# Altium PCB 10515.0461_全联供输出板(2拼版)_V1.0.PcbDoc (part 7 of 9)
Units mm, origin at the board's own origin, x right, y up, seen from the top; angles counter-clockwise.
Board outline 283.88 x 134.8 mm, 2 copper layers (Top Layer, Bottom Layer); 298 components, 0 nets, 1264 pads, 970 vias.
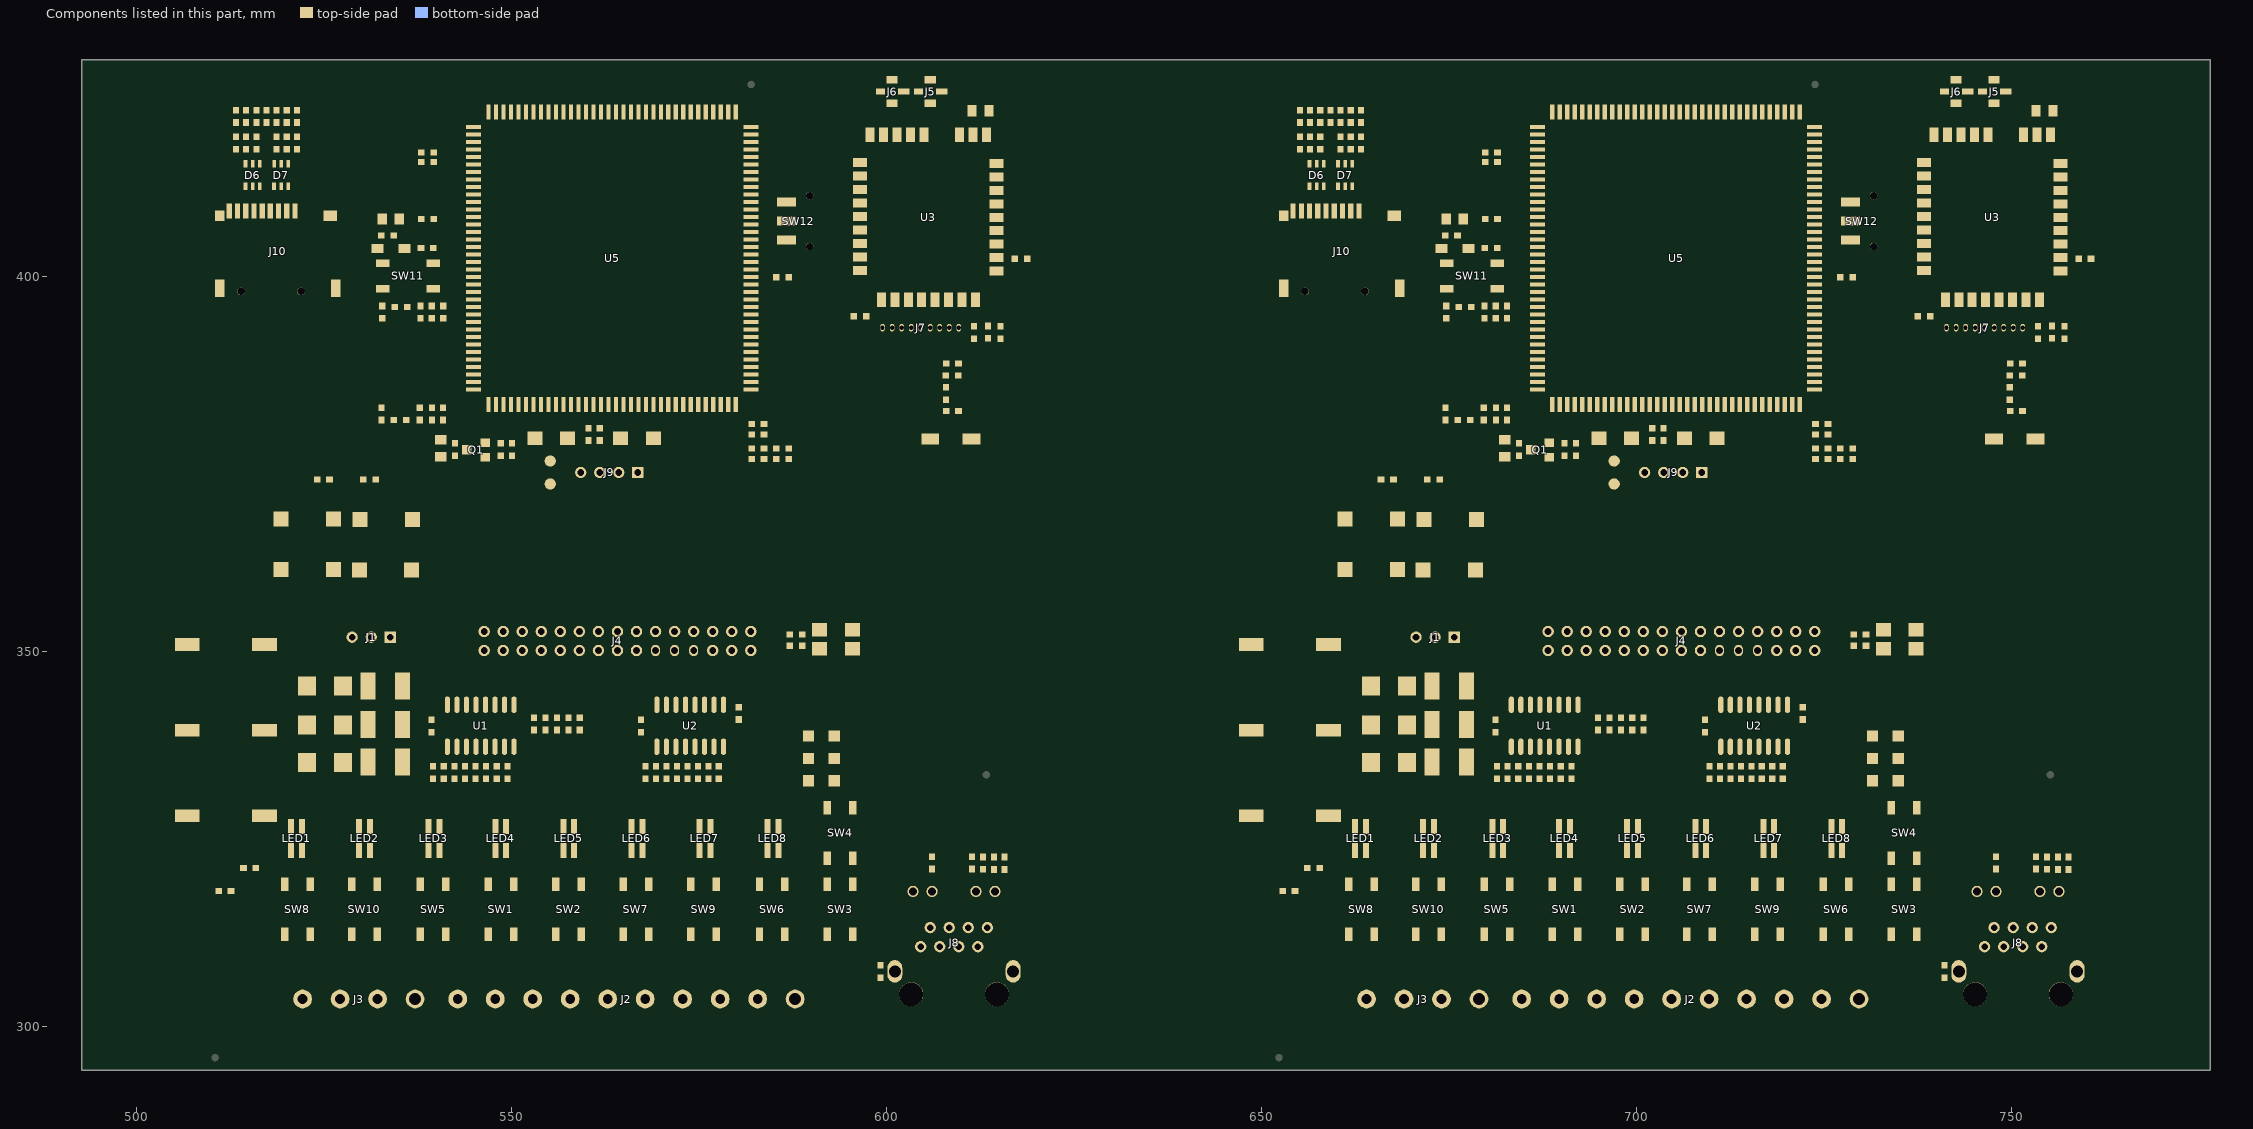
[diagram p7: the components of this part, seen from the top]

## Via types
v1: diameter 0.7, hole 0.4, Top Layer to Bottom Layer, tented both sides, 970 vias

## Nets (pads, with @x,y where several pads share a name; then routed paths per layer and width w, separated by ;. In a path a pad name is that pad's centre, name@x,y a point inside that pad or via, vN(x,y) a via of type N, cw(c..) or ccw(c..) an arc to the next point about the centre after c; other vN are vias at no path point) (continued)
copper on no net: (continued)
  Top Layer w0.8: 752.601,379.719 cw(c751.179,378.297) 753.19,378.297 ; 752.945,378.547 ccw(c752.374,379.13) 753.19,379.13 ; 753.024,377.051 cw(c754.436,377.051) 753.437,378.05 ; 753.393,378.05 cw(c752.81,377.467) 753.634,377.467 ; 753.393,378.544 ccw(c752.81,379.127) 753.634,379.127 ; 753.435,378.547 cw(c754.006,379.13) 753.19,379.13 ; 753.446,379.611 cw(c752.132,378.297) 753.99,378.297 ; 753.532,393.33 754.421,393.33 756.707,393.33 ; 753.634,377.437 cw(c754.5,377.437) 753.887,378.05 ; 753.634,379.157 ccw(c754.5,379.157) 753.887,378.544 ; 755.387,391.717 756.923,391.717 ; 758.34,306.861 ccw(c757.316,305.837) 757.316,307.285 ccw(c757.315,308.734) 758.34,307.709 ; 506.717,328.035 507.907,326.845 509.143,326.845 509.778,326.21 509.778,319.123 510.286,318.615 ; 506.717,328.035 507.826,328.035 508.381,327.48 509.524,327.48 ; 506.717,328.035 v1(510.896,328.035) 510.896,318.005 ; 506.717,328.035 506.717,339.465 506.717,345.501 508.254,347.038 ; 507.746,347.546 508.254,347.038 ; 509.524,327.48 510.286,326.718 510.286,318.615 ; 510.286,302.588 510.286,304.366 ; 510.286,302.588 511.937,300.937 513.715,300.937 510.896,303.756 510.896,318.005 ; 510.286,304.366 510.286,317.395 510.896,318.005 ; 510.286,318.615 510.896,318.005 ; 511.048,406.601 515.594,406.601 525.78,406.601 ; 512.572,305.89 512.572,304.874 513.842,303.604 514.858,303.604 ; 512.572,305.89 514.858,303.604 ; 512.572,305.89 512.572,337.767 ; 512.572,337.767 512.572,338.656 513.969,340.053 ; 512.572,337.767 514.27,339.465 517.017,339.465 ; 513.842,337.132 513.842,324.813 512.572,323.543 513.08,324.051 513.08,337.386 514.477,338.783 ; 513.842,337.132 516.175,339.465 ; 513.969,340.053 518.414,340.053 ; 514.223,308.176 514.223,307.033 514.731,306.525 515.874,306.525 ; 514.223,308.176 515.874,306.525 ; 514.477,338.783 515.493,338.783 516.175,339.465 ; 515.849,320.622 515.849,321.053 ; 515.849,321.053 515.849,325.829 ; 515.849,321.053 516.509,321.713 ; 515.849,325.829 515.849,333.043 516.382,333.576 ; 515.849,325.829 515.849,326.867 517.017,328.035 517.017,334.211 ; 515.874,306.525 538.988,306.525 540.004,305.509 540.004,301.318 540.639,300.683 556.768,300.683 557.777,301.692 ; 516.175,339.465 517.017,339.465 ; 516.175,339.465 517.017,339.465 ; 516.382,333.576 517.017,334.211 ; 516.509,321.713 516.509,326.464 517.779,327.734 517.779,333.957 518.414,334.592 519.049,334.592 ; 517.017,334.211 517.652,334.846 ; 517.017,339.465 517.826,339.465 518.414,340.053 ; 517.017,346.657 517.017,350.895 ; 517.017,350.895 517.779,350.133 517.779,348.054 517.779,347.419 ; 517.017,350.895 518.16,350.895 518.748,351.483 ; 517.017,350.895 523.033,350.895 ; 518.748,351.483 523.621,351.483 523.033,350.895 ; 519.232,360.881 519.232,354.983 519.684,354.531 ; 519.232,360.881 519.232,367.612 ; 519.232,367.612 519.303,367.612 519.938,368.247 521.589,368.247 ; 519.232,367.612 521.716,367.612 524.027,369.923 524.027,372.919 ; 519.684,354.531 520.113,354.102 549.91,354.102 ; 521.462,358.087 521.462,356.563 v1@521.97,356.563 ; v1@521.97,356.563 528.574,356.563 530.225,358.214 530.225,361.383 ; 523.033,350.895 527.732,350.895 528.701,351.864 ; 524.027,372.919 523.494,373.452 523.494,384.757 524.027,385.29 ; 524.027,372.919 524.027,385.29 ; 524.027,385.29 525.018,386.281 528.193,386.281 528.828,386.916 ; 525.678,372.919 525.678,373.225 526.161,373.708 ; 525.678,372.919 525.678,382.369 ; 525.678,372.919 525.678,368.166 526.232,367.612 ; 525.678,382.369 526.669,383.36 ; 526.232,367.612 526.232,360.881 526.232,361.206 526.923,361.897 ; 526.669,383.36 529.082,383.36 530.352,384.63 ; 528.828,386.916 528.828,394.917 529.946,396.035 532.715,396.035 ; 529.773,367.535 529.773,372.442 530.2,372.869 ; 529.773,367.535 530.2,367.962 530.2,372.869 ; 529.773,367.535 529.646,367.408 529.646,360.804 530.225,361.383 ; 530.2,372.869 530.2,373.225 529.59,373.835 529.59,381.836 530.225,382.471 531.114,382.471 ; 530.2,372.869 530.2,381.557 531.114,382.471 ; 531.114,382.471 532.638,382.471 533.4,382.471 ; 531.851,372.869 537.464,372.869 ; 531.851,372.869 531.851,373.581 ; 531.851,372.869 531.851,372.336 532.384,371.803 532.384,369.898 534.162,368.12 ; 531.851,372.869 531.851,369.669 533.985,367.535 536.773,367.535 ; 534.162,368.12 536.188,368.12 536.773,367.535 ; 537.464,372.869 539.717,370.616 540.683,370.616 ; 537.464,372.869 538.43,372.869 540.683,370.616 ; 537.718,340.434 537.718,345.768 ; 537.718,345.768 v1@537.718,347.165 ; 537.718,345.768 537.718,346.149 539.623,348.054 v1(539.623,348.435) v1@538.988,348.435 ; v1@537.718,347.165 v1@538.988,348.435 ; 540.683,370.616 553.847,370.616 ; 549.91,354.102 549.91,354.15 550.672,354.15 551.386,353.436 551.386,352.626 549.91,354.102 ; 551.18,355.674 552.196,355.674 ; 551.18,355.674 553.926,352.928 ; 552.196,355.674 553.926,353.944 ; 552.196,355.674 553.212,355.674 ; 553.212,355.674 553.926,354.96 553.926,353.944 ; 553.847,370.616 565.023,370.616 ; 553.926,352.928 553.926,353.944 ; 565.023,370.616 565.912,370.616 566.801,371.505 566.801,373.835 ; 565.023,370.616 566.801,372.394 566.801,373.835 ; 565.658,375.994 566.928,375.994 ; 566.554,373.588 cw(c565.956,372.99) 566.801,372.99 ; 566.554,373.588 cw(c565.956,372.99) 566.801,372.99 ; 566.801,372.99 cw(c567.646,372.99) 567.048,373.588 ; 566.801,372.99 cw(c567.646,372.99) 567.048,373.588 ; 566.801,373.835 586.359,373.835 ; 566.928,375.994 v1(568.833,375.994) ; v1(568.833,375.994) 568.858,375.994 568.858,378.407 v1@568.858,376.908 ; 568.858,377.2 ccw(c567.651,377.2) 568.504,378.053 cw(c567.651,377.2) 568.858,377.2 ; 568.858,377.2 cw(c570.065,377.2) 569.212,378.053 ccw(c570.065,377.2) 568.858,377.2 ; 586.359,373.835 v1(589.026,373.835) 589.026,374.343 v1(588.962,374.407) ; 586.359,373.835 586.93,374.407 ; 586.93,374.407 v1(588.962,374.407) ; v1(601.091,373.835) 601.599,374.343 ; v1(601.091,373.835) 605.155,373.835 605.8,374.48 605.8,378.297 ; 601.599,374.343 604.647,374.343 605.155,374.851 605.155,377.652 605.8,378.297 ; v1@601.726,371.93 609.092,371.93 ; v1@601.726,371.93 v1(601.218,371.422) 610.489,371.422 611.734,372.667 611.734,379.423 609.575,381.582 609.575,382.013 ; 605.155,379.244 607.924,382.013 ; 605.8,378.297 607.924,380.421 v1(607.924,380.693) ; v1(607.924,380.693) 607.924,382.013 ; 609.092,371.93 610.108,371.93 611.124,372.946 611.124,378.131 611.29,378.297 ; 609.575,382.013 609.575,380.012 611.29,378.297 ; 611.29,378.297 611.29,379.13 ; 648.617,328.035 649.807,326.845 651.043,326.845 651.678,326.21 651.678,319.123 652.186,318.615 ; 648.617,328.035 649.726,328.035 650.281,327.48 651.424,327.48 ; 648.617,328.035 v1(652.796,328.035) 652.796,318.005 ; 648.617,328.035 648.617,339.465 648.617,345.501 650.154,347.038 ; 649.646,347.546 650.154,347.038 ; 651.424,327.48 652.186,326.718 652.186,318.615 ; 652.186,302.588 652.186,304.366 ; 652.186,302.588 653.837,300.937 655.615,300.937 652.796,303.756 652.796,318.005 ; 652.186,304.366 652.186,317.395 652.796,318.005 ; 652.186,318.615 652.796,318.005 ; 652.948,406.601 657.494,406.601 667.68,406.601 ; 654.472,305.89 654.472,304.874 655.742,303.604 656.758,303.604 ; 654.472,305.89 656.758,303.604 ; 654.472,305.89 654.472,337.767 ; 654.472,337.767 654.472,338.656 655.869,340.053 ; 654.472,337.767 656.17,339.465 658.917,339.465 ; 655.742,337.132 655.742,324.813 654.472,323.543 654.98,324.051 654.98,337.386 656.377,338.783 ; 655.742,337.132 658.075,339.465 ; 655.869,340.053 660.314,340.053 ; 656.123,308.176 656.123,307.033 656.631,306.525 657.774,306.525 ; 656.123,308.176 657.774,306.525 ; 656.377,338.783 657.393,338.783 658.075,339.465 ; 657.749,320.622 657.749,321.053 ; 657.749,321.053 657.749,325.829 ; 657.749,321.053 658.409,321.713 ; 657.749,325.829 657.749,333.043 658.282,333.576 ; 657.749,325.829 657.749,326.867 658.917,328.035 658.917,334.211 ; 657.774,306.525 680.888,306.525 681.904,305.509 681.904,301.318 682.539,300.683 698.668,300.683 699.677,301.692 ; 658.075,339.465 658.917,339.465 ; 658.075,339.465 658.917,339.465 ; 658.282,333.576 658.917,334.211 ; 658.409,321.713 658.409,326.464 659.679,327.734 659.679,333.957 660.314,334.592 660.949,334.592 ; 658.917,334.211 659.552,334.846 ; 658.917,339.465 659.726,339.465 660.314,340.053 ; 658.917,346.657 658.917,350.895 ; 658.917,350.895 659.679,350.133 659.679,348.054 659.679,347.419 ; 658.917,350.895 660.06,350.895 660.648,351.483 ; 658.917,350.895 664.933,350.895 ; 660.648,351.483 665.521,351.483 664.933,350.895 ; 661.132,360.881 661.132,354.983 661.584,354.531 ; 661.132,360.881 661.132,367.612 ; 661.132,367.612 661.203,367.612 661.838,368.247 663.489,368.247 ; 661.132,367.612 663.616,367.612 665.927,369.923 665.927,372.919 ; 661.584,354.531 662.013,354.102 691.81,354.102 ; 663.362,358.087 663.362,356.563 v1@663.87,356.563 ; v1@663.87,356.563 670.474,356.563 672.125,358.214 672.125,361.383 ; 664.933,350.895 669.632,350.895 670.601,351.864 ; 665.927,372.919 665.394,373.452 665.394,384.757 665.927,385.29 ; 665.927,372.919 665.927,385.29 ; 665.927,385.29 666.918,386.281 670.093,386.281 670.728,386.916 ; 667.578,372.919 667.578,373.225 668.061,373.708 ; 667.578,372.919 667.578,382.369 ; 667.578,372.919 667.578,368.166 668.132,367.612 ; 667.578,382.369 668.569,383.36 ; 668.132,367.612 668.132,360.881 668.132,361.206 668.823,361.897 ; 668.569,383.36 670.982,383.36 672.252,384.63 ; 670.728,386.916 670.728,394.917 671.846,396.035 674.615,396.035 ; 671.673,367.535 671.673,372.442 672.1,372.869 ; 671.673,367.535 672.1,367.962 672.1,372.869 ; 671.673,367.535 671.546,367.408 671.546,360.804 672.125,361.383 ; 672.1,372.869 672.1,373.225 671.49,373.835 671.49,381.836 672.125,382.471 673.014,382.471 ; 672.1,372.869 672.1,381.557 673.014,382.471 ; 673.014,382.471 674.538,382.471 675.3,382.471 ; 673.751,372.869 679.364,372.869 ; 673.751,372.869 673.751,373.581 ; 673.751,372.869 673.751,372.336 674.284,371.803 674.284,369.898 676.062,368.12 ; 673.751,372.869 673.751,369.669 675.885,367.535 678.673,367.535 ; 676.062,368.12 678.088,368.12 678.673,367.535 ; 679.364,372.869 681.617,370.616 682.583,370.616 ; 679.364,372.869 680.33,372.869 682.583,370.616 ; 679.618,340.434 679.618,345.768 ; 679.618,345.768 v1@679.618,347.165 ; 679.618,345.768 679.618,346.149 681.523,348.054 v1(681.523,348.435) v1@680.888,348.435 ; v1@679.618,347.165 v1@680.888,348.435 ; 682.583,370.616 695.747,370.616 ; 691.81,354.102 691.81,354.15 692.572,354.15 693.286,353.436 693.286,352.626 691.81,354.102 ; 693.08,355.674 694.096,355.674 ; 693.08,355.674 695.826,352.928 ; 694.096,355.674 695.826,353.944 ; 694.096,355.674 695.112,355.674 ; 695.112,355.674 695.826,354.96 695.826,353.944 ; 695.747,370.616 706.923,370.616 ; 695.826,352.928 695.826,353.944 ; 706.923,370.616 707.812,370.616 708.701,371.505 708.701,373.835 ; 706.923,370.616 708.701,372.394 708.701,373.835 ; 707.558,375.994 708.828,375.994 ; 708.454,373.588 cw(c707.856,372.99) 708.701,372.99 ; 708.454,373.588 cw(c707.856,372.99) 708.701,372.99 ; 708.701,372.99 cw(c709.546,372.99) 708.948,373.588 ; 708.701,372.99 cw(c709.546,372.99) 708.948,373.588 ; 708.701,373.835 728.259,373.835 ; 708.828,375.994 v1(710.733,375.994) ; v1(710.733,375.994) 710.758,375.994 710.758,378.407 v1@710.758,376.908 ; 710.758,377.2 ccw(c709.551,377.2) 710.404,378.053 cw(c709.551,377.2) 710.758,377.2 ; 710.758,377.2 cw(c711.965,377.2) 711.112,378.053 ccw(c711.965,377.2) 710.758,377.2 ; 728.259,373.835 v1(730.926,373.835) 730.926,374.343 v1(730.862,374.407) ; 728.259,373.835 728.83,374.407 ; 728.83,374.407 v1(730.862,374.407) ; v1(742.991,373.835) 743.499,374.343 ; v1(742.991,373.835) 747.055,373.835 747.7,374.48 747.7,378.297 ; 743.499,374.343 746.547,374.343 747.055,374.851 747.055,377.652 747.7,378.297 ; v1@743.626,371.93 750.992,371.93 ; v1@743.626,371.93 v1(743.118,371.422) 752.389,371.422 753.634,372.667 753.634,379.423 751.475,381.582 751.475,382.013 ; 747.055,379.244 749.824,382.013 ; 747.7,378.297 749.824,380.421 v1(749.824,380.693) ; v1(749.824,380.693) 749.824,382.013 ; 750.992,371.93 752.008,371.93 753.024,372.946 753.024,378.131 753.19,378.297 ; 751.475,382.013 751.475,380.012 753.19,378.297 ; 753.19,378.297 753.19,379.13 ; 515.849,326.059 cw(c518.193,326.059) 516.535,327.717 ccw(c518.193,326.059) 515.849,326.059 ; 537.718,345.633 cw(c539.141,345.633) 538.193,346.694 ccw(c539.141,345.633) 537.718,345.633 ; 601.542,374.286 cw(c602.107,373.721) 602.107,374.52 ccw(c602.107,373.721) 601.542,374.286 ; 657.749,326.059 cw(c660.093,326.059) 658.435,327.717 ccw(c660.093,326.059) 657.749,326.059 ; 679.618,345.633 cw(c681.041,345.633) 680.093,346.694 ccw(c681.041,345.633) 679.618,345.633 ; 743.442,374.286 cw(c744.007,373.721) 744.007,374.52 ccw(c744.007,373.721) 743.442,374.286
  Top Layer w1: 520.573,323.416 529.644,323.416 547.787,323.416 548.894,323.416 ; v1(556.006,323.416) 585.216,323.416 ; 662.473,323.416 671.544,323.416 689.687,323.416 690.794,323.416 ; v1(697.906,323.416) 727.116,323.416
  Top Layer w1.5: 506.17,351.277 ccw(c506.839,351.087) 506.347,350.596 ; 506.717,328.035 506.717,350.895 506.717,350.226 508.889,348.054 511.302,348.054 511.429,347.927 v1(511.429,347.038) 508.508,347.038 506.971,345.501 506.717,345.501 ; 506.717,347.223 cw(c508.831,347.223) 507.336,348.718 ; 506.717,347.805 cw(c509.265,347.805) 507.463,349.607 ; 506.717,349.647 ccw(c508.831,349.647) 507.336,348.152 ; 506.717,350.843 ccw(c509.265,350.843) 507.463,349.041 ; 507.613,350.868 ccw(c509.655,350.289) 508.154,348.789 ; 508.479,347.321 cw(c510.249,345.551) v1@510.249,348.054 ; v1@509.18,348.054 cw(c509.18,345.551) 510.95,347.321 ; 509.942,348.054 cw(c509.942,345.551) 511.712,347.321 ; 510.618,348.651 cw(c509.765,347.223) v1@511.429,347.223 ; 510.696,348.591 cw(c508.926,346.821) v1@511.429,346.821 ; 510.95,346.755 ccw(c509.793,347.912) v1@511.429,347.912 ; 521.56,356.973 cw(c523.33,355.203) v1@523.33,357.706 ; v1(521.97,357.706) 524.51,357.706 ; 522.567,357.706 cw(c522.567,355.636) 524.031,357.1 ; 522.576,356.973 cw(c524.346,355.203) v1@524.346,357.706 ; 526.232,360.881 526.232,358.539 525.399,357.706 524.51,357.706 ; 529.646,360.804 529.646,358.905 528.447,357.706 524.51,357.706 ; 535.272,345.369 535.272,349.291 538.607,352.626 546.306,352.626 ; 535.399,335.481 535.399,345.369 ; 542.904,351.483 cw(c542.904,346.684) 546.298,350.078 ; 543.518,351.483 ccw(c543.518,355.414) 546.298,352.634 ; 545.444,351.483 cw(c545.444,346.684) 548.838,350.078 ; 546.058,351.483 ccw(c546.058,355.414) 548.838,352.634 ; 546.316,352.633 ccw(c548.465,354.066) 548.465,351.483 ; 546.317,350.081 cw(c548.465,349.136) 548.465,351.483 ; 551.386,350.086 551.386,352.626 ; 553.926,350.086 553.926,352.626 ; 556.476,350.079 cw(c559.006,348.211) 559.006,351.356 ; 556.476,352.633 ccw(c559.006,354.501) 559.006,351.356 ; 558.996,350.079 ccw(c556.466,348.211) 556.466,351.356 ; 558.996,352.633 cw(c556.466,354.501) 556.466,351.356 ; 648.07,351.277 ccw(c648.739,351.087) 648.247,350.596 ; 648.617,328.035 648.617,350.895 648.617,350.226 650.789,348.054 653.202,348.054 653.329,347.927 v1(653.329,347.038) 650.408,347.038 648.871,345.501 648.617,345.501 ; 648.617,347.223 cw(c650.731,347.223) 649.236,348.718 ; 648.617,347.805 cw(c651.165,347.805) 649.363,349.607 ; 648.617,349.647 ccw(c650.731,349.647) 649.236,348.152 ; 648.617,350.843 ccw(c651.165,350.843) 649.363,349.041 ; 649.513,350.868 ccw(c651.555,350.289) 650.054,348.789 ; 650.379,347.321 cw(c652.149,345.551) v1@652.149,348.054 ; v1@651.08,348.054 cw(c651.08,345.551) 652.85,347.321 ; 651.842,348.054 cw(c651.842,345.551) 653.612,347.321 ; 652.518,348.651 cw(c651.665,347.223) v1@653.329,347.223 ; 652.596,348.591 cw(c650.826,346.821) v1@653.329,346.821 ; 652.85,346.755 ccw(c651.693,347.912) v1@653.329,347.912 ; 663.46,356.973 cw(c665.23,355.203) v1@665.23,357.706 ; v1(663.87,357.706) 666.41,357.706 ; 664.467,357.706 cw(c664.467,355.636) 665.931,357.1 ; 664.476,356.973 cw(c666.246,355.203) v1@666.246,357.706 ; 668.132,360.881 668.132,358.539 667.299,357.706 666.41,357.706 ; 671.546,360.804 671.546,358.905 670.347,357.706 666.41,357.706 ; 677.172,345.369 677.172,349.291 680.507,352.626 688.206,352.626 ; 677.299,335.481 677.299,345.369 ; 684.804,351.483 cw(c684.804,346.684) 688.198,350.078 ; 685.418,351.483 ccw(c685.418,355.414) 688.198,352.634 ; 687.344,351.483 cw(c687.344,346.684) 690.738,350.078 ; 687.958,351.483 ccw(c687.958,355.414) 690.738,352.634 ; 688.216,352.633 ccw(c690.365,354.066) 690.365,351.483 ; 688.217,350.081 cw(c690.365,349.136) 690.365,351.483 ; 693.286,350.086 693.286,352.626 ; 695.826,350.086 695.826,352.626 ; 698.376,350.079 cw(c700.906,348.211) 700.906,351.356 ; 698.376,352.633 ccw(c700.906,354.501) 700.906,351.356 ; 700.896,350.079 ccw(c698.366,348.211) 698.366,351.356 ccw(c698.366,354.501) 700.896,352.633 ; 546.306,350.086 546.306,352.626 ; 546.306,350.086 548.846,350.086 548.846,352.626 546.306,352.626 ; 546.306,350.086 536.067,350.086 537.464,351.483 548.465,351.483 ; 556.466,351.356 556.466,350.086 559.006,350.086 559.006,352.626 556.514,352.626 556.466,352.578 556.466,351.356 ; 556.466,351.356 559.006,351.356 ; 688.206,350.086 688.206,352.626 ; 688.206,350.086 690.746,350.086 690.746,352.626 688.206,352.626 ; 688.206,350.086 677.967,350.086 679.364,351.483 690.365,351.483 ; 698.366,351.356 698.366,350.086 700.906,350.086 700.906,352.626 698.414,352.626 698.366,352.578 698.366,351.356 ; 698.366,351.356 700.906,351.356
  Bottom Layer w0.3: v1@513.066,419.414 cw(c512.724,419.072) 513.207,419.072 cw(c513.69,419.072) v1@513.348,419.414 ; v1(513.207,419.555) 513.207,415.872 514.477,414.602 v1@514.477,412.951 ; v1(513.461,425.397) v1(517.144,425.397) ; v1@513.602,425.256 cw(c513.944,424.914) 513.944,425.397 cw(c513.944,425.88) v1@513.602,425.538 ; v1@514.209,413.092 ccw(c513.561,413.74) 514.477,413.74 ; v1@514.214,416.008 ccw(c513.373,416.849) 514.562,416.849 ; v1@514.42,419.414 cw(c514.079,419.072) 514.562,419.072 cw(c515.045,419.072) v1@514.703,419.414 ; v1@514.482,415.867 514.562,415.947 v1(514.562,419.555) ; v1@514.971,406.742 ccw(c514.629,407.084) 515.112,407.084 ccw(c515.595,407.084) v1@515.253,406.742 ; v1(515.112,406.601) 515.112,412.631 515.432,412.951 ; v1@515.186,415.726 cw(c514.591,415.131) 515.432,415.131 ; v1@515.432,415.938 515.432,412.951 ; v1@515.916,419.355 cw(c515.916,418.872) 516.258,419.214 cw(c516.599,419.555) v1@516.116,419.555 ; v1(515.916,419.555) 516.213,419.259 516.382,419.089 v1@516.382,415.872 ; v1@515.94,410.604 v1@519.237,410.604 ; v1@516.158,416.008 ccw(c515.616,416.55) 516.382,416.55 ; v1@516.208,410.463 cw(c516.55,410.121) 516.55,410.604 cw(c516.55,411.087) v1@516.208,410.745 ; v1@517.003,425.256 ccw(c516.661,424.914) 516.661,425.397 ccw(c516.661,425.88) v1@517.003,425.538 ; v1@517.13,416.008 ccw(c516.788,416.35) 517.271,416.35 ccw(c517.754,416.35) v1@517.412,416.008 ; v1@517.13,417.763 cw(c516.788,417.421) 517.271,417.421 cw(c517.754,417.421) v1@517.412,417.763 ; v1@517.271,415.872 v1(517.271,417.904) ; v1@517.638,410.463 ccw(c517.296,410.121) 517.296,410.604 ccw(c517.296,411.087) v1@517.638,410.745 ; v1@517.92,410.463 cw(c518.262,410.121) 518.262,410.604 cw(c518.262,411.087) v1@517.92,410.745 ; 518.08,412.951 ccw(c518.08,414.301) v1@519.035,413.346 ; v1@518.146,413.981 ccw(c517.804,414.323) 518.287,414.323 ccw(c518.77,414.323) v1@518.428,413.981 ; v1(518.287,413.84) 518.287,419.216 v1(518.626,419.555) ; 518.287,418.255 cw(c519.926,418.255) v1@518.767,419.414 ; 518.287,418.979 cw(c519.202,418.979) v1@518.555,419.626 ; v1@518.484,423.549 ccw(c518.143,423.89) 518.626,423.89 ccw(c519.109,423.89) v1@518.767,423.549 ; v1(518.626,423.407) 518.626,424.593 v1(519.049,425.016) ; 518.661,410.604 cw(c518.661,409.896) v1@519.162,410.397 ; 518.804,412.951 ccw(c518.804,413.577) v1@519.247,413.134 ; v1@518.849,425.016 cw(c518.366,425.016) 518.708,424.675 cw(c519.049,424.333) v1@519.049,424.816 ; 518.922,412.951 515.432,412.951 ; v1@519.035,413.064 cw(c518.693,412.722) 519.176,412.722 cw(c519.659,412.722) v1@519.317,413.064 ; v1(519.176,413.205) 519.176,411.935 519.557,411.554 529.59,411.554 530.225,410.919 ; v1(519.303,410.538) v1(521.97,410.538) ; v1@519.444,410.397 cw(c519.786,410.055) 519.786,410.538 cw(c519.786,411.021) v1@519.444,410.679 ; v1@519.839,419.414 cw(c519.497,419.072) 519.98,419.072 cw(c520.463,419.072) v1@520.122,419.414 ; v1@519.839,423.591 ccw(c519.497,423.933) 519.98,423.933 ccw(c520.463,423.933) v1@520.122,423.591 ; 519.98,416.866 ccw(c521.186,416.866) v1@520.333,416.013 ; v1(519.98,419.555) 519.98,416.084 v1(520.192,415.872) ; v1(519.98,423.45) 519.98,427.09 v1(520.573,427.683) ; v1@520.051,413.727 ccw(c519.709,414.069) 520.192,414.069 ccw(c520.675,414.069) v1@520.333,413.727 ; v1(520.192,413.586) 520.192,414.729 521.335,415.872 v1(521.335,419.555) ; v1@520.373,427.683 cw(c519.89,427.683) 520.232,427.342 cw(c520.573,427) v1@520.573,427.483 ; v1@521.194,419.414 cw(c520.852,419.072) 521.335,419.072 cw(c521.818,419.072) v1@521.476,419.414 ; v1@521.194,423.633 ccw(c520.852,423.975) 521.335,423.975 ccw(c521.818,423.975) v1@521.476,423.633 ; v1(521.335,423.492) 521.335,427.683 v1(521.97,428.318) ; v1@521.77,428.318 cw(c521.287,428.318) 521.629,427.977 cw(c521.97,427.635) v1@521.97,428.118 ; v1@521.829,410.397 ccw(c521.487,410.055) 521.487,410.538 ccw(c521.487,411.021) v1@521.829,410.679 ; v1(526.923,312.243) v1(533.4,312.243) ; v1@527.064,312.101 cw(c527.406,311.76) 527.406,312.243 cw(c527.406,312.726) v1@527.064,312.384 ; v1(528.633,320.427) 529.209,321.003 v1(533.146,321.003) ; v1@528.633,320.627 ccw(c528.633,321.11) 528.974,320.768 ccw(c529.316,320.427) v1@528.833,320.427 ; v1@533.005,320.862 ccw(c532.663,320.52) 532.663,321.003 ccw(c532.663,321.486) v1@533.005,321.144 ; v1@533.259,312.101 ccw(c532.917,311.76) 532.917,312.243 ccw(c532.917,312.726) v1@533.259,312.384 ; 533.654,348.133 533.781,348.26 ; v1(537.845,314.272) v1(556.895,314.272) ; v1@537.986,314.131 cw(c538.328,313.789) 538.328,314.272 cw(c538.328,314.755) v1@537.986,314.413 ; v1(546.481,344.371) 546.481,343.99 ; v1(548.259,345.26) v1(575.691,345.26) ; v1@548.4,345.119 cw(c548.742,344.777) 548.742,345.26 cw(c548.742,345.743) v1@548.4,345.401 ; v1@554.341,335.368 ccw(c553.999,335.71) 554.482,335.71 ccw(c554.965,335.71) v1@554.623,335.368 ; v1@554.341,338.134 cw(c553.999,337.792) 554.482,337.792 cw(c554.965,337.792) v1@554.623,338.134 ; v1(554.482,335.227) v1(554.482,338.275) ; v1@555.865,334.606 ccw(c555.523,334.948) 556.006,334.948 ccw(c556.489,334.948) v1@556.147,334.606 ; v1@555.865,338.134 cw(c555.523,337.792) 556.006,337.792 cw(c556.489,337.792) v1@556.147,338.134 ; v1(556.006,334.465) v1(556.006,338.275) ; v1@556.754,314.131 ccw(c556.412,313.789) 556.412,314.272 ccw(c556.412,314.755) v1@556.754,314.413 ; v1@557.389,333.717 ccw(c557.047,334.059) 557.53,334.059 ccw(c558.013,334.059) v1@557.671,333.717 ; v1@557.389,338.134 cw(c557.047,337.792) 557.53,337.792 cw(c558.013,337.792) v1@557.671,338.134 ; v1(557.53,333.576) v1(557.53,338.275) ; v1@558.913,332.955 ccw(c558.571,333.297) 559.054,333.297 ccw(c559.537,333.297) v1@559.195,332.955 ; v1@558.913,338.134 cw(c558.571,337.792) 559.054,337.792 cw(c559.537,337.792) v1@559.195,338.134 ; v1(559.054,332.814) v1(559.054,338.275) ; v1@562.596,426.272 cw(c561.945,425.621) 562.865,425.621 ; v1@562.724,385.024 ccw(c562.382,385.366) 562.865,385.366 ccw(c563.348,385.366) v1@563.006,385.024 ; v1(562.865,384.883) 562.865,420.063 ; 562.865,420.317 562.865,420.063 ; v1@562.865,426.285 562.865,420.063 ; 567.144,304.504 ccw(c566.286,305.723) 567.777,305.723 ; 567.317,304.258 ccw(c566.693,305.145) 567.777,305.145 ccw(c568.861,305.145) 568.237,304.258 ; 567.777,303.604 567.777,305.723 ; 568.41,304.504 cw(c569.268,305.723) 567.777,305.723 ; v1@574.221,344.244 cw(c573.738,344.244) 574.08,343.903 cw(c574.421,343.561) v1@574.421,344.044 ; v1@574.35,344.315 cw(c574.793,343.872) 574.793,344.498 ; 574.394,306.144 cw(c574.394,305.228) v1@575.042,305.876 ; v1@574.562,344.103 cw(c575.517,343.148) 575.517,344.498 ; v1@575.324,305.876 cw(c575.972,305.228) 575.972,306.144 ; v1@575.55,345.119 ccw(c575.208,344.777) 575.208,345.26 ccw(c575.208,345.743) v1@575.55,345.401 ; 577.037,304.418 ccw(c575.518,306.09) 577.777,306.09 ; 577.239,304.196 ccw(c576.134,305.412) 577.777,305.412 ccw(c579.42,305.412) 578.315,304.196 ; 577.777,303.604 577.777,306.09 ; 578.517,304.418 cw(c580.036,306.09) 577.777,306.09 ; v1@578.979,344.357 ccw(c578.637,344.015) 578.637,344.498 ccw(c578.637,344.981) v1@578.979,344.639 ; v1(579.12,344.498) 574.675,344.498 v1(574.421,344.244) 573.913,343.736 546.735,343.736 546.481,343.99 ; 580.176,306.144 cw(c580.176,305.228) v1@580.824,305.876 ; v1@581.107,305.876 cw(c581.755,305.228) 581.755,306.144 ; v1(584.454,375.613) 585.978,375.613 586.532,376.167 586.532,391.661 587.248,392.377 v1(593.725,392.377) ; v1(584.454,377.01) 585.216,377.01 585.978,377.772 585.978,390.726 585.978,392.504 586.613,393.139 v1(594.614,393.139) ; v1@584.595,375.472 cw(c584.937,375.13) 584.937,375.613 cw(c584.937,376.096) v1@584.595,375.754 ; v1@584.595,376.869 cw(c584.937,376.527) 584.937,377.01 cw(c584.937,377.493) v1@584.595,377.151 ; 587.138,304.499 ccw(c586.249,305.742) 587.777,305.742 ; 587.312,304.255 ccw(c586.666,305.159) 587.777,305.159 ccw(c588.888,305.159) 588.242,304.255 ; v1@587.742,378.04 ccw(c587.4,378.382) 587.883,378.382 ccw(c588.366,378.382) v1@588.024,378.04 ; 587.777,303.604 587.777,305.742 ; v1(587.883,377.899) 587.883,390.472 588.137,390.726 v1(588.772,390.726) ; 588.416,304.499 cw(c589.305,305.742) 587.777,305.742 ; v1@588.631,390.585 ccw(c588.289,390.243) 588.289,390.726 ccw(c588.289,391.209) v1@588.631,390.867 ; v1@589.52,350.862 ccw(c589.178,351.204) 589.661,351.204 ccw(c590.144,351.204) v1@589.802,350.862 ; v1@589.52,355.66 cw(c589.178,355.318) 589.661,355.318 cw(c590.144,355.318) v1@589.802,355.66 ; v1(589.661,350.721) v1(589.661,355.801) ; v1@593.584,392.236 ccw(c593.242,391.894) 593.242,392.377 ccw(c593.242,392.86) v1@593.584,392.518 ; v1@594.473,392.998 ccw(c594.131,392.656) 594.131,393.139 ccw(c594.131,393.622) v1@594.473,393.28 ; v1(606.552,325.575) 606.552,325.194 ; 607.064,310.585 608.211,311.732 609.141,311.732 610.534,313.125 610.874,313.125 ; 607.064,311.185 ccw(c607.064,312.634) 608.088,311.609 ccw(c609.113,310.585) 607.664,310.585 ; v1@607.427,339.559 ccw(c607.085,339.901) 607.568,339.901 ccw(c608.051,339.901) v1@607.709,339.559 ; v1@607.427,341.436 cw(c607.085,341.094) 607.568,341.094 cw(c608.051,341.094) v1@607.709,341.436 ; v1(607.568,339.418) v1(607.568,341.577) ; 607.91,313.549 ccw(c606.885,314.574) 608.334,314.574 ccw(c609.783,314.574) 608.758,313.549 ; v1@608.189,338.924 ccw(c607.847,339.266) 608.33,339.266 ccw(c608.813,339.266) v1@608.471,338.924 ; v1@608.189,342.071 cw(c607.847,341.729) 608.33,341.729 cw(c608.813,341.729) v1@608.471,342.071 ; v1(608.33,338.783) v1(608.33,342.212) ; 608.334,313.125 608.334,322.404 ; 609.269,311.86 cw(c610.874,310.256) 610.874,312.525 ; 609.781,312.372 cw(c610.874,311.28) 610.874,312.825 ; 610.09,312.681 ccw(c609.646,313.125) 610.274,313.125 ; 610.489,314.054 ccw(c611.803,314.054) 610.874,313.125 ; 610.489,314.779 ccw(c612.528,314.779) 611.086,313.337 ; 610.489,315.503 ccw(c613.252,315.503) 611.298,313.549 ; v1@610.856,324.799 ccw(c610.514,324.457) 610.514,324.94 ccw(c610.514,325.423) v1@610.856,325.081 ; v1(610.997,324.94) 606.806,324.94 606.552,325.194 ; v1@611.178,319.606 cw(c610.695,319.606) 611.037,319.265 cw(c611.378,318.923) v1@611.378,319.406 ; v1(611.378,319.606) 610.489,318.717 610.489,313.51 610.874,313.125 ; v1@654.966,419.414 cw(c654.624,419.072) 655.107,419.072 cw(c655.59,419.072) v1@655.248,419.414 ; v1(655.107,419.555) 655.107,415.872 656.377,414.602 v1@656.377,412.951 ; v1(655.361,425.397) v1(659.044,425.397) ; v1@655.502,425.256 cw(c655.844,424.914) 655.844,425.397 cw(c655.844,425.88) v1@655.502,425.538 ; v1@656.109,413.092 ccw(c655.461,413.74) 656.377,413.74 ; v1@656.114,416.008 ccw(c655.273,416.849) 656.462,416.849 ; v1@656.32,419.414 cw(c655.979,419.072) 656.462,419.072 cw(c656.945,419.072) v1@656.603,419.414 ; v1@656.382,415.867 656.462,415.947 v1(656.462,419.555) ; v1@656.871,406.742 ccw(c656.529,407.084) 657.012,407.084 ccw(c657.495,407.084) v1@657.153,406.742 ; v1(657.012,406.601) 657.012,412.631 657.332,412.951 ; v1@657.086,415.726 cw(c656.491,415.131) 657.332,415.131 ; v1@657.332,415.938 657.332,412.951 ; v1@657.816,419.355 cw(c657.816,418.872) 658.158,419.214 cw(c658.499,419.555) v1@658.016,419.555 ; v1(657.816,419.555) 658.113,419.259 658.282,419.089 v1@658.282,415.872 ; v1@657.84,410.604 v1@661.137,410.604 ; v1@658.058,416.008 ccw(c657.516,416.55) 658.282,416.55 ; v1@658.108,410.463 cw(c658.45,410.121) 658.45,410.604 cw(c658.45,411.087) v1@658.108,410.745 ; v1@658.903,425.256 ccw(c658.561,424.914) 658.561,425.397 ccw(c658.561,425.88) v1@658.903,425.538 ; v1@659.03,416.008 ccw(c658.688,416.35) 659.171,416.35 ccw(c659.654,416.35) v1@659.312,416.008 ; v1@659.03,417.763 cw(c658.688,417.421) 659.171,417.421 cw(c659.654,417.421) v1@659.312,417.763 ; v1@659.171,415.872 v1(659.171,417.904) ; v1@659.538,410.463 ccw(c659.196,410.121) 659.196,410.604 ccw(c659.196,411.087) v1@659.538,410.745 ; v1@659.82,410.463 cw(c660.162,410.121) 660.162,410.604 cw(c660.162,411.087) v1@659.82,410.745 ; 659.98,412.951 ccw(c659.98,414.301) v1@660.935,413.346 ; v1@660.046,413.981 ccw(c659.704,414.323) 660.187,414.323 ccw(c660.67,414.323) v1@660.328,413.981 ; v1(660.187,413.84) 660.187,419.216 v1(660.526,419.555) ; 660.187,418.255 cw(c661.826,418.255) v1@660.667,419.414 ; 660.187,418.979 cw(c661.102,418.979) v1@660.455,419.626 ; v1@660.384,423.549 ccw(c660.043,423.89) 660.526,423.89 ccw(c661.009,423.89) v1@660.667,423.549 ; v1(660.526,423.407) 660.526,424.593 v1(660.949,425.016) ; 660.561,410.604 cw(c660.561,409.896) v1@661.062,410.397 ; 660.704,412.951 ccw(c660.704,413.577) v1@661.147,413.134 ; v1@660.749,425.016 cw(c660.266,425.016) 660.608,424.675 cw(c660.949,424.333) v1@660.949,424.816 ; 660.822,412.951 657.332,412.951 ; v1@660.935,413.064 cw(c660.593,412.722) 661.076,412.722 cw(c661.559,412.722) v1@661.217,413.064 ; v1(661.076,413.205) 661.076,411.935 661.457,411.554 671.49,411.554 672.125,410.919 ; v1(661.203,410.538) v1(663.87,410.538) ; v1@661.344,410.397 cw(c661.686,410.055) 661.686,410.538 cw(c661.686,411.021) v1@661.344,410.679 ; v1@661.739,419.414 cw(c661.397,419.072) 661.88,419.072 cw(c662.363,419.072) v1@662.022,419.414 ; v1@661.739,423.591 ccw(c661.397,423.933) 661.88,423.933 ccw(c662.363,423.933) v1@662.022,423.591 ; 661.88,416.866 ccw(c663.086,416.866) v1@662.233,416.013 ; v1(661.88,419.555) 661.88,416.084 v1(662.092,415.872) ; v1(661.88,423.45) 661.88,427.09 v1(662.473,427.683) ; v1@661.951,413.727 ccw(c661.609,414.069) 662.092,414.069 ccw(c662.575,414.069) v1@662.233,413.727 ; v1(662.092,413.586) 662.092,414.729 663.235,415.872 v1(663.235,419.555) ; v1@662.273,427.683 cw(c661.79,427.683) 662.132,427.342 cw(c662.473,427) v1@662.473,427.483 ; v1@663.094,419.414 cw(c662.752,419.072) 663.235,419.072 cw(c663.718,419.072) v1@663.376,419.414 ; v1@663.094,423.633 ccw(c662.752,423.975) 663.235,423.975 ccw(c663.718,423.975) v1@663.376,423.633 ; v1(663.235,423.492) 663.235,427.683 v1(663.87,428.318) ; v1@663.67,428.318 cw(c663.187,428.318) 663.529,427.977 cw(c663.87,427.635) v1@663.87,428.118 ; v1@663.729,410.397 ccw(c663.387,410.055) 663.387,410.538 ccw(c663.387,411.021) v1@663.729,410.679 ; v1(668.823,312.243) v1(675.3,312.243) ; v1@668.964,312.101 cw(c669.306,311.76) 669.306,312.243 cw(c669.306,312.726) v1@668.964,312.384 ; v1(670.533,320.427) 671.109,321.003 v1(675.046,321.003) ; v1@670.533,320.627 ccw(c670.533,321.11) 670.874,320.768 ccw(c671.216,320.427) v1@670.733,320.427 ; v1@674.905,320.862 ccw(c674.563,320.52) 674.563,321.003 ccw(c674.563,321.486) v1@674.905,321.144 ; v1@675.159,312.101 ccw(c674.817,311.76) 674.817,312.243 ccw(c674.817,312.726) v1@675.159,312.384 ; 675.554,348.133 675.681,348.26 ; v1(679.745,314.272) v1(698.795,314.272) ; v1@679.886,314.131 cw(c680.228,313.789) 680.228,314.272 cw(c680.228,314.755) v1@679.886,314.413 ; v1(688.381,344.371) 688.381,343.99 ; v1(690.159,345.26) v1(717.591,345.26) ; v1@690.3,345.119 cw(c690.642,344.777) 690.642,345.26 cw(c690.642,345.743) v1@690.3,345.401 ; v1@696.241,335.368 ccw(c695.899,335.71) 696.382,335.71 ccw(c696.865,335.71) v1@696.523,335.368 ; v1@696.241,338.134 cw(c695.899,337.792) 696.382,337.792 cw(c696.865,337.792) v1@696.523,338.134 ; v1(696.382,335.227) v1(696.382,338.275) ; v1@697.765,334.606 ccw(c697.423,334.948) 697.906,334.948 ccw(c698.389,334.948) v1@698.047,334.606 ; v1@697.765,338.134 cw(c697.423,337.792) 697.906,337.792 cw(c698.389,337.792) v1@698.047,338.134 ; v1(697.906,334.465) v1(697.906,338.275) ; v1@698.654,314.131 ccw(c698.312,313.789) 698.312,314.272 ccw(c698.312,314.755) v1@698.654,314.413 ; v1@699.289,333.717 ccw(c698.947,334.059) 699.43,334.059 ccw(c699.913,334.059) v1@699.571,333.717 ; v1@699.289,338.134 cw(c698.947,337.792) 699.43,337.792 cw(c699.913,337.792) v1@699.571,338.134 ; v1(699.43,333.576) v1(699.43,338.275) ; v1@700.813,332.955 ccw(c700.471,333.297) 700.954,333.297 ccw(c701.437,333.297) v1@701.095,332.955 ; v1@700.813,338.134 cw(c700.471,337.792) 700.954,337.792 cw(c701.437,337.792) v1@701.095,338.134 ; v1(700.954,332.814) v1(700.954,338.275) ; v1@704.496,426.272 cw(c703.845,425.621) 704.765,425.621 ; v1@704.624,385.024 ccw(c704.282,385.366) 704.765,385.366 ccw(c705.248,385.366) v1@704.906,385.024 ; v1(704.765,384.883) 704.765,420.063 ; 704.765,420.317 704.765,420.063 ; v1@704.765,426.285 704.765,420.063 ; 709.044,304.504 ccw(c708.186,305.723) 709.677,305.723 ; 709.217,304.258 ccw(c708.593,305.145) 709.677,305.145 ccw(c710.761,305.145) 710.137,304.258 ; 709.677,303.604 709.677,305.723 ; 710.31,304.504 cw(c711.168,305.723) 709.677,305.723 ; v1@716.121,344.244 cw(c715.638,344.244) 715.98,343.903 cw(c716.321,343.561) v1@716.321,344.044 ; v1@716.25,344.315 cw(c716.693,343.872) 716.693,344.498 ; 716.294,306.144 cw(c716.294,305.228) v1@716.942,305.876 ; v1@716.462,344.103 cw(c717.417,343.148) 717.417,344.498 ; v1@717.224,305.876 cw(c717.872,305.228) 717.872,306.144 ; v1@717.45,345.119 ccw(c717.108,344.777) 717.108,345.26 ccw(c717.108,345.743) v1@717.45,345.401 ; 718.937,304.418 ccw(c717.418,306.09) 719.677,306.09 ; 719.139,304.196 ccw(c718.034,305.412) 719.677,305.412 ccw(c721.32,305.412) 720.215,304.196 ; 719.677,303.604 719.677,306.09 ; 720.417,304.418 cw(c721.936,306.09) 719.677,306.09 ; v1@720.879,344.357 ccw(c720.537,344.015) 720.537,344.498 ccw(c720.537,344.981) v1@720.879,344.639 ; v1(721.02,344.498) 716.575,344.498 v1(716.321,344.244) 715.813,343.736 688.635,343.736 688.381,343.99 ; 722.076,306.144 cw(c722.076,305.228) v1@722.724,305.876 ; v1@723.007,305.876 cw(c723.655,305.228) 723.655,306.144 ; v1(726.354,375.613) 727.878,375.613 728.432,376.167 728.432,391.661 729.148,392.377 v1(735.625,392.377) ; v1(726.354,377.01) 727.116,377.01 727.878,377.772 727.878,390.726 727.878,392.504 728.513,393.139 v1(736.514,393.139) ; v1@726.495,375.472 cw(c726.837,375.13) 726.837,375.613 cw(c726.837,376.096) v1@726.495,375.754 ; v1@726.495,376.869 cw(c726.837,376.527) 726.837,377.01 cw(c726.837,377.493) v1@726.495,377.151 ; 729.038,304.499 ccw(c728.149,305.742) 729.677,305.742 ; 729.212,304.255 ccw(c728.566,305.159) 729.677,305.159 ccw(c730.788,305.159) 730.142,304.255 ; v1@729.642,378.04 ccw(c729.3,378.382) 729.783,378.382 ccw(c730.266,378.382) v1@729.924,378.04 ; 729.677,303.604 729.677,305.742 ; v1(729.783,377.899) 729.783,390.472 730.037,390.726 v1(730.672,390.726) ; 730.316,304.499 cw(c731.205,305.742) 729.677,305.742 ; v1@730.531,390.585 ccw(c730.189,390.243) 730.189,390.726 ccw(c730.189,391.209) v1@730.531,390.867 ; v1@731.42,350.862 ccw(c731.078,351.204) 731.561,351.204 ccw(c732.044,351.204) v1@731.702,350.862 ; v1@731.42,355.66 cw(c731.078,355.318) 731.561,355.318 cw(c732.044,355.318) v1@731.702,355.66 ; v1(731.561,350.721) v1(731.561,355.801) ; v1@735.484,392.236 ccw(c735.142,391.894) 735.142,392.377 ccw(c735.142,392.86) v1@735.484,392.518 ; v1@736.373,392.998 ccw(c736.031,392.656) 736.031,393.139 ccw(c736.031,393.622) v1@736.373,393.28 ; v1(748.452,325.575) 748.452,325.194 ; 748.964,310.585 750.111,311.732 751.041,311.732 752.434,313.125 752.774,313.125 ; 748.964,311.185 ccw(c748.964,312.634) 749.988,311.609 ccw(c751.013,310.585) 749.564,310.585 ; v1@749.327,339.559 ccw(c748.985,339.901) 749.468,339.901 ccw(c749.951,339.901) v1@749.609,339.559 ; v1@749.327,341.436 cw(c748.985,341.094) 749.468,341.094 cw(c749.951,341.094) v1@749.609,341.436 ; v1(749.468,339.418) v1(749.468,341.577) ; 749.81,313.549 ccw(c748.785,314.574) 750.234,314.574 ccw(c751.682,314.574) 750.658,313.549 ; v1@750.089,338.924 ccw(c749.747,339.266) 750.23,339.266 ccw(c750.713,339.266) v1@750.371,338.924 ; v1@750.089,342.071 cw(c749.747,341.729) 750.23,341.729 cw(c750.713,341.729) v1@750.371,342.071 ; v1(750.23,338.783) v1(750.23,342.212) ; 750.234,313.125 750.234,322.404 ; 751.169,311.86 cw(c752.774,310.256) 752.774,312.525 ; 751.681,312.372 cw(c752.774,311.28) 752.774,312.825 ; 751.99,312.681 ccw(c751.546,313.125) 752.174,313.125 ; 752.389,314.054 ccw(c753.703,314.054) 752.774,313.125 ; 752.389,314.779 ccw(c754.428,314.779) 752.986,313.337 ; 752.389,315.503 ccw(c755.152,315.503) 753.198,313.549 ; v1@752.756,324.799 ccw(c752.414,324.457) 752.414,324.94 ccw(c752.414,325.423) v1@752.756,325.081 ; v1(752.897,324.94) 748.706,324.94 748.452,325.194 ; v1@753.078,319.606 cw(c752.595,319.606) 752.937,319.265 cw(c753.278,318.923) v1@753.278,319.406 ; v1(753.278,319.606) 752.389,318.717 752.389,313.51 752.774,313.125 ; 546.481,343.99 ccw(c546.218,343.99) 546.367,344.206 cw(c546.218,343.99) 546.481,343.99 ; 546.481,343.99 cw(c546.744,343.99) 546.595,344.206 ccw(c546.744,343.99) 546.481,343.99 ; 567.777,305.723 568.198,306.144 587.375,306.144 587.777,305.742 ; 606.552,325.194 ccw(c606.289,325.194) 606.438,325.41 cw(c606.289,325.194) 606.552,325.194 ; 606.552,325.194 cw(c606.815,325.194) 606.666,325.41 ccw(c606.815,325.194) 606.552,325.194 ; 688.381,343.99 ccw(c688.118,343.99) 688.267,344.206 cw(c688.118,343.99) 688.381,343.99 ; 688.381,343.99 cw(c688.644,343.99) 688.495,344.206 ccw(c688.644,343.99) 688.381,343.99 ; 709.677,305.723 710.098,306.144 729.275,306.144 729.677,305.742 ; 748.452,325.194 ccw(c748.189,325.194) 748.338,325.41 cw(c748.189,325.194) 748.452,325.194 ; 748.452,325.194 cw(c748.715,325.194) 748.566,325.41 ccw(c748.715,325.194) 748.452,325.194
  Bottom Layer w0.45: 527.09,303.604 527.09,307.835 528.066,308.811 551.18,308.811 551.688,309.319 v1(551.688,313.002) ; 532.09,303.604 532.09,307.12 532.511,307.541 551.942,307.541 552.577,308.176 v1@552.577,313.637 ; v1(540.258,339.418) v1(545.211,339.418) ; v1(541.401,340.84) v1(569.341,340.84) v1@576.961,340.84 ; v1(543.941,344.371) 543.941,343.355 544.449,342.847 v1(578.993,342.847) ; 547.777,303.604 547.777,303.07 549.402,301.445 553.974,301.445 554.863,302.334 554.863,312.367 554.482,312.748 v1(554.482,313.51) ; 548.658,340.84 cw(c548.658,340.452) v1@548.933,340.727 ; v1@549.109,340.727 cw(c549.384,340.452) 549.384,340.84 ; v1(550.291,339.418) v1(568.325,339.418) v1(573.151,339.418) ; 552.777,303.604 552.777,306.725 553.593,307.541 v1(553.593,313.002) ; 559.707,340.84 cw(c559.707,340.452) v1@559.982,340.727 ; v1@560.158,340.727 cw(c560.433,340.452) 560.433,340.84 ; v1(560.705,323.416) v1(560.705,337.132) ; v1(566.417,312.243) v1(584.711,312.243) ; 568.901,349.659 cw(c568.261,349.019) 569.166,349.019 cw(c570.071,349.019) 569.431,349.659 ; 569.166,350.086 569.166,346.959 569.849,346.276 582.041,346.276 582.676,345.641 v1(582.676,343.101) ; 569.166,352.626 569.595,352.626 570.484,351.737 570.484,347.8 571.3,346.984 582.857,346.984 583.565,346.276 v1@583.565,342.72 ; 569.171,352.539 cw(c569.237,351.473) 569.993,352.228 ; 569.199,352.09 cw(c569.319,350.144) 570.698,351.523 ; 571.706,352.089 cw(c571.706,350.063) 573.138,351.496 ; 571.706,352.626 572.008,352.626 573.024,351.61 573.024,348.943 574.04,347.927 583.819,347.927 584.581,347.165 v1(584.581,343.101) ; 572.243,352.626 ccw(c572.81,352.626) 572.409,352.225 ; 576.598,340.84 cw(c576.598,340.452) v1@576.873,340.727 ; 583.565,343.175 ccw(c584.084,343.175) v1@583.717,342.808 ; 668.99,303.604 668.99,307.835 669.966,308.811 693.08,308.811 693.588,309.319 v1(693.588,313.002) ; 673.99,303.604 673.99,307.12 674.411,307.541 693.842,307.541 694.477,308.176 v1@694.477,313.637 ; v1(682.158,339.418) v1(687.111,339.418) ; v1(683.301,340.84) v1(711.241,340.84) v1@718.861,340.84 ; v1(685.841,344.371) 685.841,343.355 686.349,342.847 v1(720.893,342.847) ; 689.677,303.604 689.677,303.07 691.302,301.445 695.874,301.445 696.763,302.334 696.763,312.367 696.382,312.748 v1(696.382,313.51) ; 690.558,340.84 cw(c690.558,340.452) v1@690.833,340.727 ; v1@691.009,340.727 cw(c691.284,340.452) 691.284,340.84 ; v1(692.191,339.418) v1(710.225,339.418) v1(715.051,339.418) ; 694.677,303.604 694.677,306.725 695.493,307.541 v1(695.493,313.002) ; 701.607,340.84 cw(c701.607,340.452) v1@701.882,340.727 ; v1@702.058,340.727 cw(c702.333,340.452) 702.333,340.84 ; v1(702.605,323.416) v1(702.605,337.132) ; v1(708.317,312.243) v1(726.611,312.243) ; 710.801,349.659 cw(c710.161,349.019) 711.066,349.019 cw(c711.971,349.019) 711.331,349.659 ; 711.066,350.086 711.066,346.959 711.749,346.276 723.941,346.276 724.576,345.641 v1(724.576,343.101) ; 711.066,352.626 711.495,352.626 712.384,351.737 712.384,347.8 713.2,346.984 724.757,346.984 725.465,346.276 v1@725.465,342.72 ; 711.071,352.539 cw(c711.137,351.473) 711.893,352.228 ; 711.099,352.09 cw(c711.219,350.144) 712.598,351.523 ; 713.606,352.089 cw(c713.606,350.063) 715.038,351.496 ; 713.606,352.626 713.908,352.626 714.924,351.61 714.924,348.943 715.94,347.927 725.719,347.927 726.481,347.165 v1(726.481,343.101) ; 714.143,352.626 ccw(c714.71,352.626) 714.309,352.225 ; 718.498,340.84 cw(c718.498,340.452) v1@718.773,340.727 ; 725.465,343.175 ccw(c725.984,343.175) v1@725.617,342.808
  Bottom Layer w0.65: 530.987,351.536 530.987,354.711 531.95,355.674 572.262,355.674 572.77,355.166 ; 531.622,351.663 531.622,354.584 532.204,355.166 572.135,355.166 ; 572.35,355.166 cw(c572.35,354.238) v1@573.006,354.894 ; 572.532,355.404 cw(c571.406,354.277) v1@572.999,354.277 ; v1(581.406,340.815) 598.424,340.815 ; v1(581.787,339.418) 597.281,339.418 ; v1(595.63,395.552) v1(610.043,395.552) ; 598.624,338.075 597.281,339.418 ; 599.528,324.979 600.71,323.797 ; 599.528,339.711 598.424,340.815 ; 599.603,322.527 cw(c599.603,321.166) v1@600.565,322.128 ; v1@600.601,322.128 cw(c601.563,321.166) 601.563,322.527 ; 600.813,322.527 cw(c600.813,321.166) v1@601.775,322.128 ; v1@601.811,322.128 cw(c602.773,321.166) 602.773,322.527 ; v1(606.298,420.444) 606.425,420.317 v1(613.286,420.317) ; v1@606.316,420.462 ccw(c606.665,420.811) 606.665,420.317 ; v1@606.809,420.955 ccw(c608.349,422.495) 608.349,420.317 ; v1(608.33,389.71) 608.33,393.139 608.33,394.028 608.838,394.536 609.346,394.536 ; 608.33,393.52 609.346,394.536 ; v1(609.6,389.71) 609.6,393.139 ; v1(610.489,322.527) v1(606.806,322.527) 599.186,322.527 598.624,323.089 598.624,338.837 598.043,339.418 597.281,339.418 ; v1(610.489,323.797) 600.71,323.797 ; v1@616.098,400.689 ccw(c614.977,401.81) 616.563,401.81 ; v1@616.118,400.696 ccw(c616.194,401.785) 616.966,401.013 ; v1@616.545,404.297 cw(c615.53,403.282) 616.966,403.282 ; 616.563,403.79 cw(c617.999,403.79) v1@616.984,404.805 ; v1@616.563,404.175 cw(c617.243,404.175) v1@616.976,404.8 ; 617.474,394.536 v1(618.744,395.806) v1(618.744,395.044) 618.236,394.536 609.346,394.536 ; 672.887,351.536 672.887,354.711 673.85,355.674 714.162,355.674 714.67,355.166 ; 673.522,351.663 673.522,354.584 674.104,355.166 714.035,355.166 ; 714.25,355.166 cw(c714.25,354.238) v1@714.906,354.894 ; 714.432,355.404 cw(c713.306,354.277) v1@714.899,354.277 ; v1(723.306,340.815) 740.324,340.815 ; v1(723.687,339.418) 739.181,339.418 ; v1(737.53,395.552) v1(751.943,395.552) ; 740.524,338.075 739.181,339.418 ; 741.428,324.979 742.61,323.797 ; 741.428,339.711 740.324,340.815 ; 741.503,322.527 cw(c741.503,321.166) v1@742.465,322.128 ; v1@742.501,322.128 cw(c743.463,321.166) 743.463,322.527 ; 742.713,322.527 cw(c742.713,321.166) v1@743.675,322.128 ; v1@743.711,322.128 cw(c744.673,321.166) 744.673,322.527 ; v1(748.198,420.444) 748.325,420.317 v1(755.186,420.317) ; v1@748.216,420.462 ccw(c748.565,420.811) 748.565,420.317 ; v1@748.709,420.955 ccw(c750.249,422.495) 750.249,420.317 ; v1(750.23,389.71) 750.23,393.139 750.23,394.028 750.738,394.536 751.246,394.536 ; 750.23,393.52 751.246,394.536 ; v1(751.5,389.71) 751.5,393.139 ; v1(752.389,322.527) v1(748.706,322.527) 741.086,322.527 740.524,323.089 740.524,338.837 739.943,339.418 739.181,339.418 ; v1(752.389,323.797) 742.61,323.797 ; v1@757.998,400.689 ccw(c756.877,401.81) 758.463,401.81 ; v1@758.018,400.696 ccw(c758.094,401.785) 758.866,401.013 ; v1@758.445,404.297 cw(c757.43,403.282) 758.866,403.282 ; 758.463,403.79 cw(c759.899,403.79) v1@758.884,404.805 ; v1@758.463,404.175 cw(c759.143,404.175) v1@758.876,404.8 ; 759.374,394.536 v1(760.644,395.806) v1(760.644,395.044) 760.136,394.536 751.246,394.536 ; 572.135,355.166 v1(573.024,354.277) v1(573.024,354.912) 572.77,355.166 ; 572.135,355.166 572.77,355.166 ; 598.424,340.815 598.932,340.815 599.528,340.219 599.528,324.344 600.075,323.797 600.71,323.797 ; 616.966,401.013 616.624,400.671 v1(616.116,400.671) 616.563,401.118 v1(616.563,404.315) 616.966,404.718 v1(616.966,404.823) ; 616.966,401.013 v1(616.966,404.823) ; v1(616.966,404.823) cw(c616.476,404.823) 616.559,404.34 ccw(c616.476,404.823) v1(616.966,404.823) ; 714.035,355.166 v1(714.924,354.277) v1(714.924,354.912) 714.67,355.166 ; 714.035,355.166 714.67,355.166 ; 740.324,340.815 740.832,340.815 741.428,340.219 741.428,324.344 741.975,323.797 742.61,323.797 ; 758.866,401.013 758.524,400.671 v1(758.016,400.671) 758.463,401.118 v1(758.463,404.315) 758.866,404.718 v1(758.866,404.823) ; 758.866,401.013 v1(758.866,404.823) ; v1(758.866,404.823) cw(c758.376,404.823) 758.459,404.34 ccw(c758.376,404.823) v1(758.866,404.823)